# Altium PCB PCB_Sensor1.PcbDoc (continued)
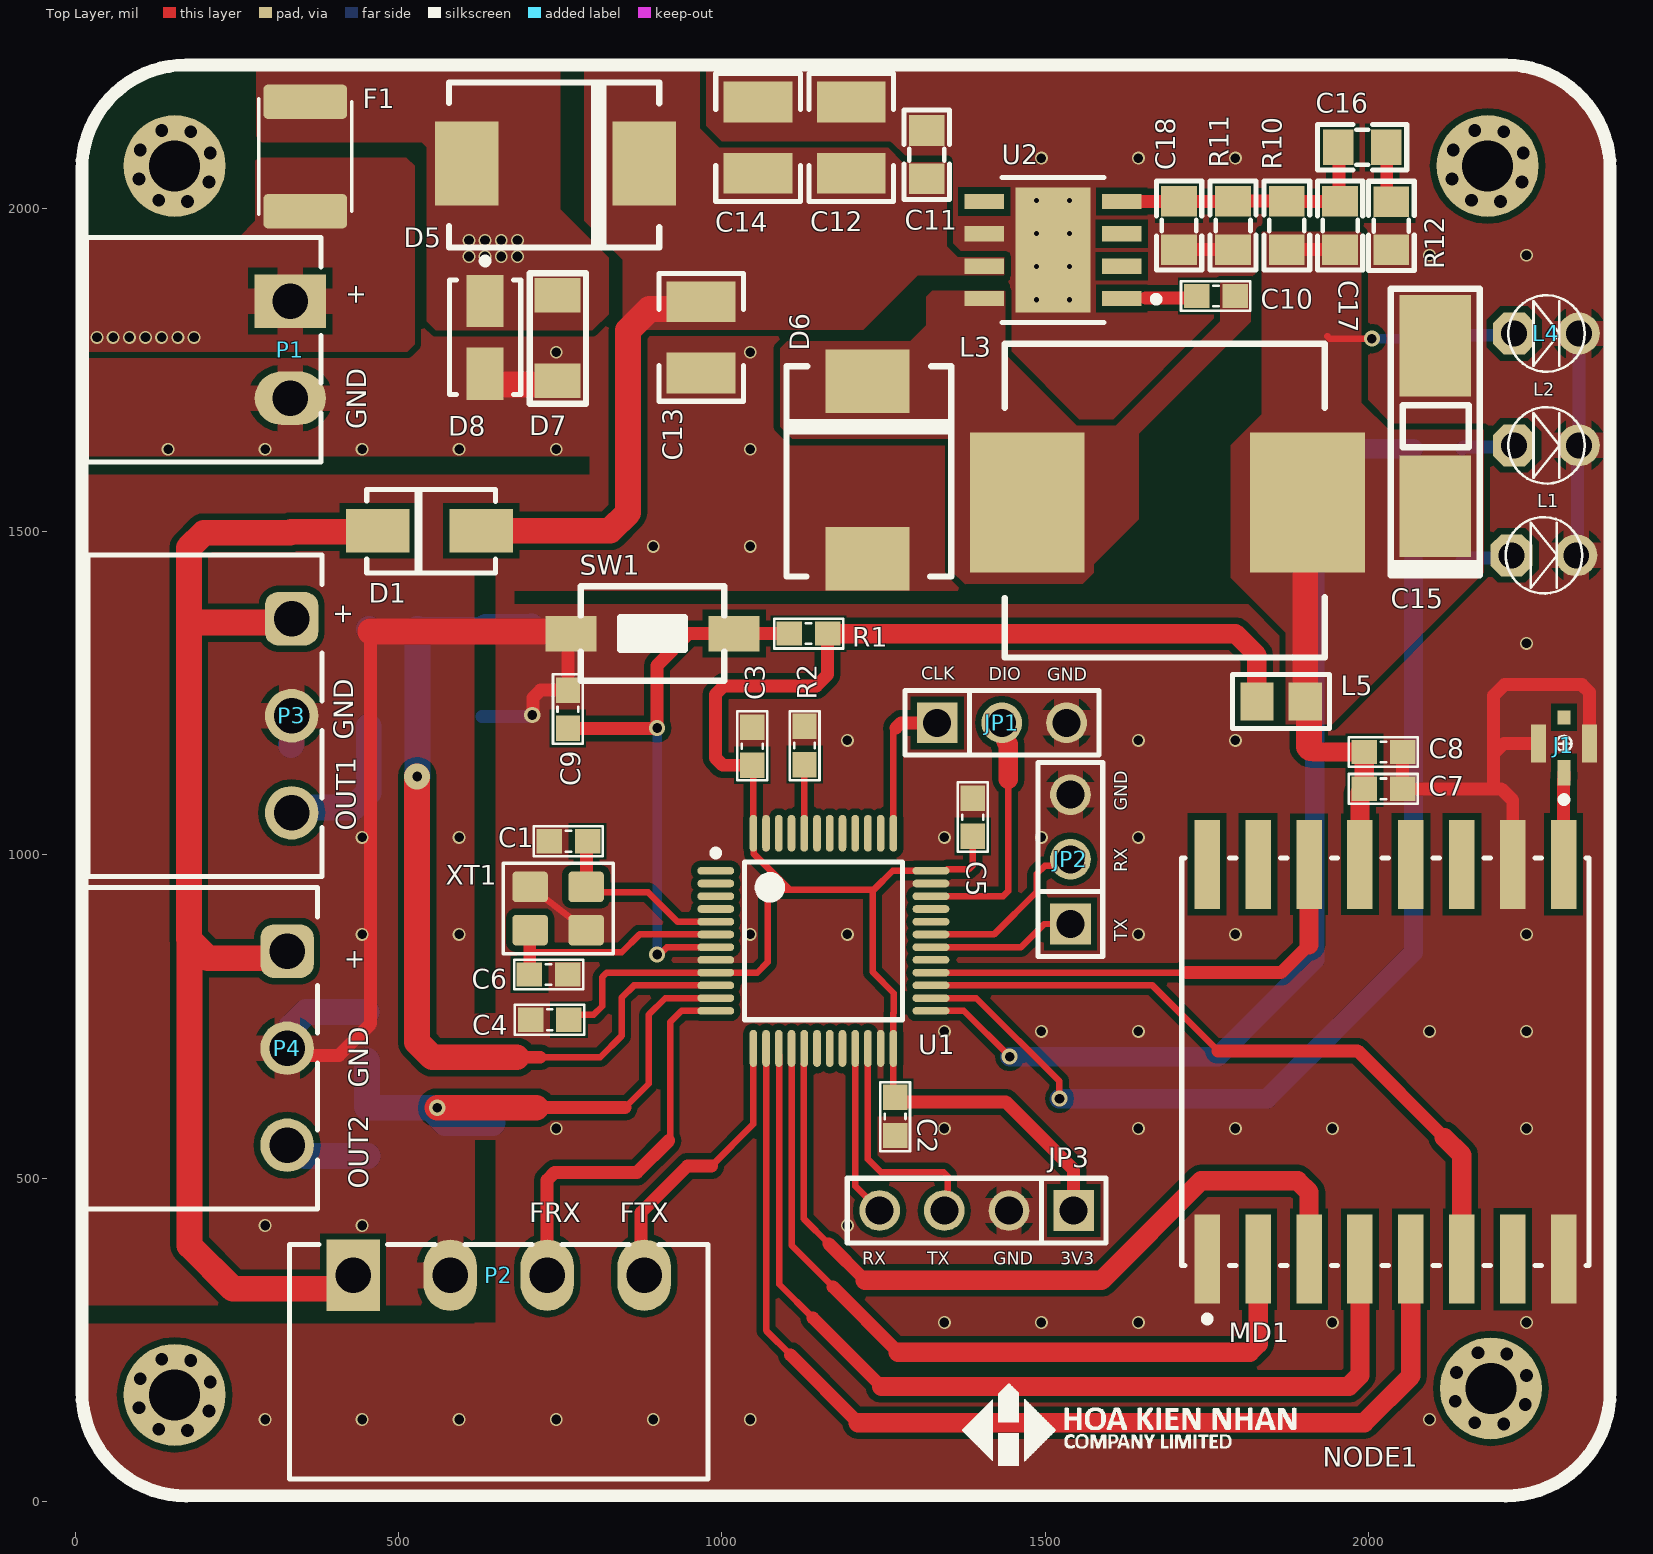
[diagram p0: Top Layer view]
## Footprints (in the part's own frame and the unit in brackets; to place one, negate y for a bottom-side part, rotate by r counter-clockwise, add the part's x,y. Pads: shape width x height; smd on the part's side, far side on the other; paste and mask are expansions set on the pad)
1210 [mm]
  rect 1.6x2.7 smd: 1(1.038,2.438) 2(3.838,2.438)
  silkscreen extent -0.07,0.78 4.95,4.1, body extent 0.85,1.18 4.05,3.68, height 1.3
1812 [mm]
  rrect25% 1.34x3.29 smd: 1(1,2.134) 2(5.3,2.134)
  silkscreen extent 0.87,0.31 5.43,3.96, body extent 0.87,0.51 5.42,3.75, height 1.25
2312 [mm]
  rect 4x2.8 smd: 1(0.127,0.152) 2(6.427,0.152)
  silkscreen extent -2.59,-1.6 8.66,1.91, body extent 0.13,-1.6 6.43,1.9, height 2.79
691322310002 [mm] "Horizontal PCB Header, pitch 3.81mm, 02p"
  rect 2.1x2.794 hole 1.4: 1(-1.905,3.4)
  oval 2.1x2.794 hole 1.4: 2(1.905,3.4)
  silkscreen extent -4.4,-4.6 4.41,4.6, body extent -4.4,-4.6 4.41,4.6, height 7.25
691322310003 [mm] "Horizontal PCB Header, pitch 3.81mm, 03p"
  rrect50% 2.1x2.1 hole 1.4: 1(-3.81,3.4)
  round 2.1 hole 1.4: 2(0,3.4) 3(3.81,3.4)
  silkscreen extent -6.31,-4.6 6.31,4.6, body extent -6.31,-4.6 6.31,4.6, height 7.25
691322310004 [mm] "Horizontal PCB Header, pitch 3.81mm, 04p"
  rect 2.1x2.794 hole 1.4: 1(-5.715,3.4)
  oval 2.1x2.794 hole 1.4: 2(-1.905,3.4) 3(1.905,3.4) 4(5.715,3.4)
  silkscreen extent -8.21,-4.6 8.22,4.6, body extent -8.21,-4.6 8.21,4.6, height 7.25
DO214AB_SMC [mm] "DIODE_DO214AB_SMC Type"
  rect 2.5x3.3 smd: 1(0.795,3.429) 2(7.765,3.429)
  silkscreen extent 0.1,0.13 8.36,6.6, body extent 0.23,0.28 8.36,6.58, height 2.67
DO-214AA [mm]
  rect 2.5x1.7 smd: 1(1.854,2.057) 2(5.919,2.057)
  silkscreen extent 1.3,0.43 6.35,3.76, body extent 1.36,0.71 6.36,3.41, height 2.25
"FER-0805 (2012)" [mm]
  rect 1.3x1.5 smd: 1(1.082,1.219) 2(2.982,1.219)
  silkscreen extent 0.12,0.16 3.94,2.28, body extent 0.89,0.35 3.18,2.08, height 1.51
FP-DDA0008J-MFG [mm]
  rect 1.55x0.6 smd paste+0 mask+0: 1(-2.7,1.905) 2(-2.7,0.635) 3(-2.7,-0.635) 4(-2.7,-1.905) 5(2.7,-1.905) 6(2.7,-0.635) 7(2.7,0.635) 8(2.7,1.905)
  rect 2.95x4.9 smd paste-1000 mask-1000: 9(0,0)
  silkscreen extent -4.18,-2.85 2,2.85, body extent -3.57,-2.75 3.57,2.75, height 0.25
FP-RFM95W-868S2-MFG [mm]
  rect 3.5x1 smd paste+0 mask+0: 1(-7.75,7) 2(-7.75,5) 3(-7.75,3) 4(-7.75,1) 5(-7.75,-1) 6(-7.75,-3) 7(-7.75,-5) 8(-7.75,-7) 9(7.75,-7) 10(7.75,-5) 11(7.75,-3) 12(7.75,-1) 13(7.75,1) 14(7.75,3) 15(7.75,5) 16(7.75,7)
  silkscreen extent -10.22,-8 8,8, body extent -9.6,-8.1 9.6,8.1, height 0.25
IND-12_12_8 [mm]
  rect 4.5x5.5 smd: 1(-5.5,0) 2(5.5,0)
  silkscreen extent -6.39,-6.1 6.18,6.22, body extent -6.27,-6.2 6.23,6.3, height 8
"JP 1x3 DT" [mm]
  rect 1.6x1.6 hole 1.1: 1(0,0)
  round 1.6 hole 1.1: 2(2.54,0) 3(5.08,0)
  silkscreen extent -1.27,-1.27 6.35,1.27, body extent -1.27,-1.27 6.35,1.27, height 8.54
"JP 1x4 DT" [mm] "4 pins, 1 row, straight, gold plating"
  rect 1.6x1.6 hole 1.1: 1(0,0)
  round 1.6 hole 1.1: 2(2.54,0) 3(5.08,0) 4(7.62,0)
  silkscreen extent -1.27,-1.27 8.89,1.27, body extent -1.27,-1.27 8.89,1.27, height 8.54
LED-3MM-GREEN [mil]
  oct 65x65 hole 40: 1(0,0)
  round 65 hole 40: 2(100,0)
  silkscreen extent -9,-59 109,59, body extent -15,-70 112,60, height 182
LED-3MM-RED [mil]
  oct 65x65 hole 40: 1(0,0)
  round 65 hole 40: 2(100,0)
  silkscreen extent -9,-59 109,59, body extent -27,-77 117,80, height 181
SOD_80 [mm]
  rect 1.35x1.8 smd: 1(0.738,1.397) 2(4.088,1.397)
  silkscreen extent -0.18,0.28 4.95,2.49, body extent 0.66,0.66 4.16,2.16, height 1.45
STM32_LQPF48 [mm]
  oval 1.45x0.3 smd: 1(-4.225,2.75) 2(-4.225,2.25) 3(-4.225,1.75) 4(-4.225,1.25) 5(-4.225,0.75) 6(-4.225,0.25) 7(-4.225,-0.25) 8(-4.225,-0.75) 9(-4.225,-1.25) 10(-4.225,-1.75) 11(-4.225,-2.25) 12(-4.225,-2.75) 25(4.225,-2.75) 26(4.225,-2.25) 27(4.225,-1.75) 28(4.225,-1.25) 29(4.225,-0.75) 30(4.225,-0.25) 31(4.225,0.25) 32(4.225,0.75) 33(4.225,1.25) 34(4.225,1.75) 35(4.225,2.25) 36(4.225,2.75)
  oval 0.3x1.45 smd: 13(-2.75,-4.225) 14(-2.25,-4.225) 15(-1.75,-4.225) 16(-1.25,-4.225) 17(-0.75,-4.225) 18(-0.25,-4.225) 19(0.25,-4.225) 20(0.75,-4.225) 21(1.25,-4.225) 22(1.75,-4.225) 23(2.25,-4.225) 24(2.75,-4.225) 37(2.75,4.225) 38(2.25,4.225) 39(1.75,4.225) 40(1.25,4.225) 41(0.75,4.225) 42(0.25,4.225) 43(-0.25,4.225) 44(-0.75,4.225) 45(-1.25,4.225) 46(-1.75,4.225) 47(-2.25,4.225) 48(-2.75,4.225)
  silkscreen extent -4.35,-3.1 3.1,3.57, body extent -4.5,-4.5 4.5,4.5, height 1.6
"SW 2P SMD" [mm]
  rect 2x1.4 smd: 1(1.118,2.489) 2(7.518,2.489)
  silkscreen extent 1.5,0.64 7.14,4.34, body extent 1.27,0.64 7.37,4.34, height 2.5
TG-RECE-20369-001E-4_V [mm] "Hand Drawn, 4-Leads, Body 1.7x1.7mm"
  rect 0.5x1 smd: 1(0,-1.15)
  rect 0.6x1.5 smd: 2(1,0) 3(-1,0)
  rect 0.5x0.55 smd: 4(0,1.025)
  silkscreen extent -0.3,-2.32 0.3,0.3, body extent -0.85,-0.85 0.85,0.85, height 0.85
"Thach Anh 4 chan 1" [mm] "SMD Crystal 4-lead leadless package"
  round 0.508 on Mech15: 0(0,0)
  rrect25% 1.4x1.2 smd: 1(-1.1,-0.85) 2(1.1,-0.85) 3(1.1,0.85) 4(-1.1,0.85)
  Top Layer lines w0.254: -1.1,0.85 1.1,-0.85
  silkscreen extent -2.16,-1.78 2.16,1.78, body extent -1.65,-1.3 1.65,1.3, height 0.8
"tro smd 0603" [mm] "Chip Capacitor, 2-Leads, Body 1,60x0,80mm, IPC Medium Density"
  rect 1x0.95 smd mask+0.076: 1(-0.75,0) 2(0.75,0)
  silkscreen extent -1.35,-0.58 1.37,0.58, body extent -0.82,-0.42 0.82,0.43, height 0.44
"tro smd 0805" [mm]
  rect 1.2x1.4 smd: 1(-0.946,-0.061) 2(0.954,-0.061)
  silkscreen extent -1.75,-0.97 1.75,0.84, body extent -1.56,-0.76 1.44,0.64, height 0.53
"tu 0603" [mm] "Chip Capacitor, 2-Leads, Body 1,60x0,80mm, IPC Medium Density"
  rect 1x0.95 smd mask+0.076: 1(-0.75,0) 2(0.75,0)
  silkscreen extent -1.35,-0.58 1.37,0.58, body extent -0.8,-0.4 0.8,0.4, height 0.9
"tu 0805" [mm] "Compoment SMD 80x50mil"
  rect 1.2x1.4 smd: 1(-0.946,-0.003) 2(0.954,-0.003)
  silkscreen extent -1.75,-0.89 1.75,0.89, body extent -1.01,-0.64 1.01,0.63, height 0.61
VISH-DO-214AC-2_L [mm] "DO-214AC, 2-Leads, Body 4.5x2.79mm, IPC High Density"
  rect 2.05x1.45 smd: 1(-1.425,0) 2(1.425,0)
  silkscreen extent -3.12,-1.4 2.25,1.4, body extent -2.25,-1.4 2.25,1.4, height 2.29

## Part data
C1 C6: library part "Tu 0603 101 50V 10%", "Dán", Chung_Loai=Dán, Don_Vi=Con, Ma_Hang=MH004565, So_Chan=2, Ten_Linh_Kien="Tụ 0603 101-0.1nF 10% 50V"
C2 C3 C4 C5 C8: library part "Tu 0603 104 50V 10%", "Dán", Chung_Loai=Dán, Don_Vi=Con, Ma_Hang=MH004568, So_Chan=2, Ten_Linh_Kien="Tụ 0603 104-100nF 10% 50V"
C7 C10 C19 C20: library part "Tu 0603 105 16V 20%", "Dán", Chung_Loai=Dán, Don_Vi=Con, Ma_Hang=MH004574, So_Chan=2, Ten_Linh_Kien="Tụ 0603 105-1uF 20% 16V"
C9: library part "Tu 0603 105 50V 10%", "Dán", Chung_Loai=Dán, Don_Vi=Con, Ma_Hang=MH004569, So_Chan=2, Ten_Linh_Kien="Tụ 0603 105-1uF 50V 10%"
C11 C16 C17 C18: library part "Tu 0805 10pF 50V 10%", "Dán", Chung_Loai=Dán, Don_Vi=Con, Ma_Hang=MH004554, So_Chan=2, Ten_Linh_Kien="Tụ 0805 10P 10% 50V"
  C17 C18: ComponentLink1Description="New link", ComponentLink1URL=https://www.thegioiic.com/tu-gom-0805-150pf-50v
C12 C13 C14: library part CAP_CER_1210_10uF, "CAP CER 10uF/50V 1210", Manufacturer=Yageo, Package=1210, Part number=C1210, ComponentLink1Description="Link product", ComponentLink1URL=https://www.thegioiic.com/tu-gom-1210-10uf-50v, Cost=3400
C15: library part CAP_TANT_2312_100uF, "CAP TANT 100uF/10V 2312", Manufacturer=AVX, Package=2312, Part number=TAJC107K010RNJ, ComponentLink1Description="Link product", ComponentLink1URL=https://www.thegioiic.com/tu-tantalum-100uf-10v-2312-tajc107k010rnj, Cost=5000
D1: library part DIO_SS14, "DIODE SCHOTTKY 1A 40V SMA DO-214AA", Manufacturer=Fairchild, Package=DO-214AA, Part number=SS14, ComponentLink1Description="Link product", ComponentLink1URL=https://www.thegioiic.com/ss14-sma-diode-schottky-1a-1n5819, Cost=600
D3 D4: library part DIO_ZMM3V6, "ZMM3V6 3.6V 500mW SMD SOD-80", Manufacturer="On Semiconductor", Package=SOD-80, ComponentLink1Description="Link product", ComponentLink1URL=https://www.thegioiic.com/zmm3v6-diode-zener-3-6v-500mw-smd, Cost=250, Part number=ZMM3V6
D5 D6: library part DIO_MBRS340T3, "DIODE SCHOTTKY 4A 40V SMC DO-214AB", Manufacturer=Fairchild, Package=DO-214AB, Part number=SS14, ComponentLink1Description="Link product", ComponentLink1URL=https://www.thegioiic.com/mbrs340t3-diode-schottky-4a, Cost=2000
D7: library part DIO_ZMM15, "ZMM15 15V 500mW SMD SOD-80", Manufacturer="On Semiconductor", Package="SOD-80 2L", Part number=ZMM15, ComponentLink1Description="Link product", ComponentLink1URL=https://www.thegioiic.com/rlz30b-diode-zener-27-70-29-13v-500mw-smd, Cost=250
D8: library part CMP-0548-00227-2, "Transient Voltage Suppressor, 6.40 to 231 V, 28 V Stand-off Voltage, Uni-Directional, -55 to 155 degC, 2-pin DO-214AC, Pb-Free, Tape and Reel", Manufacturer="Vishay Semiconductor", Operating Junction and Storage Temperature Range="-55 to 150 degC", ComponentLink4Description="New link", ComponentLink4URL=https://www.thegioiic.com/smaj28a-e3-61-tvs-diode-28v-45-4v-do214ac, DatasheetVersion=12/8/2013, ID (uA)=1, IFSM="40 A", Mounting Technology="Surface Mount", PackageDescription="2-Pin DO-214AC (SMA), Body 4.245 x 2.665 mm", PackageReference=DO-214AC-2, Packing="Tape and Reel", PartNumber=SMAJ28A-E3/61, PPPM (W)="400, 300", RoHS=TRUE, VBR Uni-Directional (V)="6.4 to 231", VWM (V)=28
F1: library part FUSE_16V_2.5A, "MF-MSMF250/16 16V 2.5A1812", Manufacturer=Bourns, Package=1812, ComponentLink1Description="Link product", ComponentLink1URL=https://www.thegioiic.com/mf-msmf150-24x-2-cau-chi-tu-phuc-hoi-1812-24v-1-5a, Cost=3000, Part number=1812
J1: library part CMP-0275-00001-2, "RF Connector, Onboard Receptacle, IPEX MHFIII", Housing Color=Gold, Manufacturer=Taoglas, PartNumber=RECE-20369-001E-01, ComponentLink1Description="Manufacturer URL", ComponentLink1URL=http://www.taoglas.com/, ComponentLink2Description=Datasheet, ComponentLink2URL=http://www.taoglas.com/images/product_images/original_images/RECE.20369.001E.01.pdf, ComponentLink3Description="Package Specification", ComponentLink3URL=http://www.taoglas.com/images/product_images/original_images/RECE.20369.001E.01.pdf, DatasheetVersion="Rev. C", Mounting Technology="Surface Mount", PackageDescription="4-Pin, Hand Drawn, Body 1.7x1.7mm", PackageReference=RECE-20369-001E-01-4, PackageVersion="Rev. C", Packing="Tape and Reel"
JP1 JP2: library part "JP 1x3 2.54 Duc Thang", "Cắm", Chung_Loai=Cắm, Don_Vi=Con, Ma_Hang=MH000903, Ten_Linh_Kien="Jump Đơn Đực 2.54MM 1x40P Thẳng 11MM"
JP3: library part "JP 1x4 2.54 Duc Thang", "Cắm", Chung_Loai=Cắm, Don_Vi=Con, Ma_Hang=MH000903, Ten_Linh_Kien="Jump Đơn Đực 2.54MM 1x40P Thẳng 11MM"
L1 L2: library part "LED 3mm Xanh La", "Cắm", Chung_Loai=Cắm, Don_Vi=Con, Ma_Hang=MH001054, Ten_Linh_Kien="Led 3MM Phủ Xanh (10c)"
L3: library part IND_68uH_3.2A_1280, "CDRH127 IND 68uH 3.2A 12x12x8", Manufacturer=OEM, Package=1280, Part number=CDRH127, ComponentLink1Description="Link product", ComponentLink1URL=https://www.thegioiic.com/cdrh127-cuon-cam-dan-smd-1280-680-68uh-3-2a, Cost=3200
L4: library part "LED 3mm Do", "Cắm", Chung_Loai=Cắm, Don_Vi=Con, Ma_Hang=MH003892, Ten_Linh_Kien="Led 3MM Phủ Đỏ (10c)"
L5: library part FERRITE_BEAD_2.7A_80, "FERRITE BEAD 2.7A 80 OHM 0805", Manufacturer="Taiyo Yuden", Package=0805, Part number=FBMH2012HM800-T, ComponentLink1Description="Link product", ComponentLink1URL=https://www.thegioiic.com/fbmh2012hm800-t-ferrite-bead-80-ohm-0805, Cost=2000
MD1: library part CMP-204316-000001-1, "RX TXRX MODULE ISM < 1GHZ SMD", Case/Package=SMD/SMT, Current - Receiving=12.1mA, Current - Transmitting=120mA, Frequency=868MHz, Max Operating Temperature=70°C, Min Operating Temperature=-20°C, Data Rate=300Kbps, Interface=SPI, Mount="Surface Mount", Packaging=Bulk, Sensitivity=-123dBm
P1: library part CMP-1502-01886-1, "Serie 322 - 3.81mm Horizontal PCB Header WR-TBL, 2 pin", Manufacturer="Wurth Elektronik", Operating Temperature=-40to105degC, Package Reference=691322310002, Datasheet URL=http://katalog.we-online.de/em/datasheet/6913223100xx.pdf, Gender=Male, Manufacturer URL=http://www.we-online.de, Mounting Technology=THT, Packaging=Box, Part number=691322310002, Pin Number=2, Pitch=3.81mm, Publisher=WurthElektronik
P2: library part CMP-1502-01888-1, "Serie 322 - 3.81mm Horizontal PCB Header WR-TBL, 4 pin", Manufacturer="Wurth Elektronik", Operating Temperature=-40to105degC, Datasheet URL=http://katalog.we-online.de/em/datasheet/6913223100xx.pdf, Gender=Male, Manufacturer URL=http://www.we-online.de, Mounting Technology=THT, Package Reference=691322310004, Packaging=Box, Part number=691322310004, Pin Number=4, Pitch=3.81mm, Publisher=WurthElektronik
P3 P4: library part CMP-1502-01887-2, Color=Green, Current=10A, Voltage=300V, Contact Material=Brass, Contact Plating=Tin, Gender=Male, Height=9.2mm, Lead Pitch=3.81mm, Length=10.5mm, Mount="Through Hole", NexarPartId=8917778, Number of Contacts=3, Number of Levels=1, Number of Pins=3, Number of Positions Per Level=3, Number of Rows=1, Packaging=Box, Pitch=3.81mm, REACH SVHC=Unknown, RoHS=Compliant, Termination=Solder, Width=12.82mm
R1 R2: library part "Tro 0603 5% 10k", "Dán", Chung_Loai=Dán, Don_Vi=Con, Ma_Hang=MH006316, So_Chan=2, Ten_Linh_Kien="Trở 0603 5% 10k"
R3 R4 R5 R6 R7 R8: library part "Tro 0805 5% 1k", "Dán", Chung_Loai=Dán, Don_Vi=Con, Ma_Hang=MH005234, So_Chan=2, Ten_Linh_Kien="Trở 0805 5% 1k"
R9 R10 R11 R12: library part "Tro 0805 1% 5.1k", "Dán", Chung_Loai=Dán, Don_Vi=Con, Ma_Hang=MH008812, So_Chan=2, Ten_Linh_Kien="Trở 0805 1% 5.1k"
SW1: library part SW_SPDT_2PIN, "SMD Mini Push Button Switch 2 Pin 3x6x2.7mm", Manufacturer=OEM, Part number="SPST 2 PIN SMD", ComponentLink1Description="Link product", ComponentLink1URL=https://www.thegioiic.com/nut-nhan-3-5x6mm-cao-2-5mm-2-chan-smd-dau-trang, Cost=600
U2: library part CMP-2000-04960-2, "IC REG BUCK ADJUSTABLE 3A 8SOPWR", Manufacturer="Texas Instruments", Max Junction Temp=+125°C, Max Supply Voltage=36V, Min Supply Voltage=5.5V, Nominal Supply Current=3mA, Output Current=3A, Output Voltage=1.23-31V, Package=DDA0008J, Switching Frequency=500kHz, Temperature="-40°C to +125°C", Temperature Range Low=-40°C, Automotive=No, Category=IC, ComponentLink2Description=Datasheet, ComponentLink2URL=http://www.ti.com/lit/ds/symlink/tps5431.pdf, Device Class L1="Integrated Circuits (ICs)", Device Class L2="Power Management ICs", Device Class L3="Voltage Regulators - Switching", Digikey Description="IC REG BUCK ADJUSTABLE 3A 8SOPWR", Height=1.7mm, Lead Free=Yes, Manufacturer Part Number=TPS5430DDA, Max Duty Cycle=89%, Mouser Description="Voltage Regulators - Switching Regulators 5.5 to 36V Input 3A Step Dwn Converter", Number Of Outputs=1, Octopart=https://octopart.com/tps5430dda-texas+instruments-589977, Output Type=AdjustableProgrammable, RoHS=TRUE, Standoff Height=0mm, Switching Topology=Buck, Temperature Range High=+125°C
XT1: library part "Thach Anh 4 Chan SMD", "Crystal For all Crystal 2pin."
U1: ComponentLink1Description="Manufacturer Link", ComponentLink1URL=www.st.com/stm32, ComponentLink2Description=Datasheet, ComponentLink2URL=http://www.st.com/stonline/products/literature/ds/13587.pdf, DatasheetVersion="rev6, Mar-2008", PackageDescription="48-Pin Low-Profile Quad Flat Pack, 7 x 7 mm Body, 0.5 mm Pitch (LQFP48)", PackageReference=LQFP48, PackageVersion=Mar-2008, Published=30-May-2008, Publisher="Altium Limited"

## Free pads (board coordinates)
  round 39.37 hole 19.68: ""(99,145) ""(99,2045) ""(100.97,189.75) ""(100.97,2089.75) ""(129.25,111.97) ""(129.25,2011.97) ""(134,220) ""(134,2120) ""(174,110) ""(174,2010) ""(178.75,218.03) ""(178.75,2118.03) ""(207.03,140.25) ""(207.03,2040.25) ""(209,185) ""(209,2085) ""(2129,2045) ""(2130.97,2089.75) ""(2134,155) ""(2135.97,199.75) ""(2159.25,2011.97) ""(2164,2120) ""(2164.25,121.97) ""(2169,230) ""(2204,2010) ""(2208.75,2118.03) ""(2209,120) ""(2213.75,228.03) ""(2237.03,2040.25) ""(2239,2085) ""(2242.03,150.25) ""(2244,195)
  round 157.48 hole 78.74: ""(154,165) ""(154,2065) ""(2184,2065) ""(2189,175)

## Via types
v1: diameter 20, hole 15, Top Layer to Bottom Layer, tented both sides, 72 vias
v2: diameter 19.68, hole 7.87, Top Layer to Bottom Layer, tented both sides, 8 vias
v3: diameter 25, hole 15, Top Layer to Bottom Layer, tented both sides, 7 vias
v4: diameter 40, hole 15, Top Layer to Bottom Layer, tented both sides, 1 vias

## Nets (pads, with @x,y where several pads share a name; then routed paths per layer and width w, separated by ;. In a path a pad name is that pad's centre, name@x,y a point inside that pad or via, vN(x,y) a via of type N, cw(c..) or ccw(c..) an arc to the next point about the centre after c; other vN are vias at no path point)
+3V3: C7.2 C8.2 C15.1 C17.2 L3.2 L5.1 MD1.13 R9.2 R10.1 | length 865.3
  Top Layer w10: 1936,1802 1940,1798 v3(2005,1798)
  Top Layer w20: R10.1 1873.62,1935.55 1955.64,1935.55 C17.2
  Top Layer w30: 1910,1165 1916,1159 1992.47,1159 1992.97,1158.5 1992.97,1102.48 1986.63,1096.14 MD1.13
  Top Layer w40: L3.2 1902,1541.46 L5.1 1907.59,1231.41 1907.59,1167.41 1910,1165
  Bottom Layer w10: R9.2@2066.82,1798 R9.2
  Bottom Layer w15: v3(2005,1798) R9.2@2066.82,1798
+24: F1.1 P1.1
  other v1: 34,1800 59,1800 84,1800 109,1800 134,1800 159,1800 184,1800
+VIN_24: C11.1 C12.2 C13.2 C14.2 D1.1 D5.2 U2.7 | length 651.9
  Top Layer w40: D1.1 827,1501 855,1529 855,1811 887.74,1843.74 956.5,1843.74 C13.2
+VMCU_3V3: C2.1 C3.1 C4.1 C5.1 JP3.1 L5.2 R1.2 U1.9 U1.24 U1.36 U1.48 | length 2954.7
  Top Layer w10: C4.1@762.53,753 802,753 815,766 815,811 821.79,817.79 U1.9 1054.79,817.79 1070.79,833.79 1070.79,946.21 1104.79,946.21 ; C3.1 1048.73,1136.74 U1.48 1049.08,1032.99 1049.08,1001.92 1104.79,946.21 ; C2.1@1265.27,625.06 U1.24 1265.27,755.03 1266,755.76 1266,786 1233,819 1233,946.21 ; C5.1 1388,983.33 1382.14,977.47 1348.67,977.47 1346.47,975.27 U1.36 1264.27,975.27 1235.21,946.21 1233,946.21 ; 1104.79,946.21 1233,946.21
  Top Layer w20: C4.1@762.76,744.24 C4.1 ; C3.1 1001.53,1138.47 996.12,1143.88 990,1150 990,1248 1003,1261 1146.06,1261 1163.53,1278.47 R1.2 ; C2.1 1275.06,618 1439,618 1544,513 JP3.1
  Top Layer w30: R1.2 1794,1342 1827.2,1308.8 L5.2
ADC_OUTPUT_D: C19.1 D3.2 R4.1 R7.2 U1.10 | length 1371.9
  Top Layer w10: 719,687 812,687 845,720 845,779 864.1,798.1 U1.10
  Top Layer w20: 683,687 719,687
  Top Layer w40: v4(529,1121) 529,710.43 552.43,687 683,687
  Bottom Layer w40: v4(529,1121) 529.23,1121.23 R4.1 529.4,1198.78 529.4,1349.22 R7.2 531.27,1347.7 627.3,1347.7 D3.2 635.57,1352.57 705.57,1352.57 C19.1
ADC_OUTPUT_T: C20.1 D4.2 R5.1 R8.2 U1.11 | length 851.2
  Top Layer w10: 850,609 887,646 887,753 912.42,778.42 U1.11
  Top Layer w20: 713,609 850,609
  Top Layer w40: v3(560,609) 713,609
  Bottom Layer w40: R8.2 451.7,681.5 451.7,609.93 R5.1 459.72,609.23 459.95,609 D4.2@549,609 ; v3(560,609) D4.2@549,609 ; C20.1@645.47,585 D4.2 D4.2@549,609
BLUE_RX: JP3.4 U1.21 | length 266.3
  Top Layer w10: U1.21 1206.21,487.79 JP3.4
BLUE_TX: JP3.3 U1.22 | length 360.6
  Top Layer w10: U1.22 1225.9,529.1 1246,509 1343.12,509 1348.97,503.14 1348.97,454.97 JP3.3
BOOT: C10.2 U2.1 | length 79.8
  Top Layer w20: 1655.3,1861 1729.47,1861 C10.2@1733.47,1865
BOOT0: R2.2 U1.44 | length 106.4
  Top Layer w10: U1.44 1127.47,1138.94 R2.2
CLK: MD1.4 U1.15 | length 1503.9
  Top Layer w10: U1.15@1089,690.19 1089,336 1141,284
  Top Layer w20: 1141,284 1247,178
  Top Layer w30: 1247,178 1969.06,178 1986.63,195.57 MD1.4
FUEL_RX: P2.3 U1.12 | length 622.3
  Top Layer w10: 918,558 920,560 920,741 937.73,758.73 U1.12
  Top Layer w20: P2.3 730,497.28 741.72,509 869,509 918,558
FUEL_TX: P2.4 U1.13 | length 446.4
  Top Layer w10: 984,519 1048.73,583.73 U1.13
  Top Layer w20: P2.4 875,355 875,447 947,519 984,519
GND: C1.2 C2.2 C3.2 C4.2 C5.2 C6.2 C7.1 C8.1 C9.2 C11.2 C12.1 C13.1 C14.1 C15.2 C18.2 C19.2 C20.2 D3.1 D4.1 D6.1 D7.1 D8.2 J1.2 J1.3 JP1.3 JP2.3 JP3.2 L1.2 L2.2 L4.2 MD1.1 MD1.8 MD1.10 P1.2 P2.2 P3.2 P4.2 R2.1 R7.1 R8.1 R11.1 R12.1 SW1.1 U1.8 U1.23 U1.35 U1.47 U2.6 U2.9 XT1.2 XT1.4 | length 2836.2
  Top Layer w20: P4.2@332.86,690 408,690 457,739 457,875 457,1025 457,1345 ; v3(707,1216) 707.96,1216.96 707.96,1242.81 719.67,1254.53 C9.2 762,1336.97 SW1.1 ; C18.2 1707.09,1935.55 1790.17,1935.55 R11.1 ; C8.1 C7.1 2193,1102 ; MD1.10 2222.85,1084.15 2205,1102 2193,1102 ; J1.3 2209,1172 2193,1156 ; J1.2 2341.37,1251.28 2329.65,1263 2210,1263 2193,1246 2193,1156 ; 2193,1102 2193,1156
  Top Layer w40: 457,1345 764.03,1345 SW1.1 ; D8.2 634,1735.54 642.54,1727 739.89,1727 D7.1
  Bottom Layer w20: D3.1 703.76,1214.11 705.65,1216 v3(707,1216) ; L1.2 2323,1465 2323,1631 L2.2 L4.2
  Bottom Layer w40: 333.86,1170 335,1171.14 P3.2@335,1213.57 ; P4.2@334,733.57 357.43,757 R8.1 ; R7.1@454.07,1348.7 R7.1
  other v1: 294,127 444,127 594,127 744,127 894,127 1044,127 2094,127 1344,277 1494,277 1644,277 1944,277 2244,277 294,427 444,427 1194,427 744,577 1344,577 1644,577 1794,577 1944,577 2244,577 1344,727 1494,727 1644,727 2094,727 2244,727 444,877 594,877 1044,877 1194,877 1644,877 1794,877 2244,877 444,1027 594,1027 1344,1027 1494,1027 1644,1027 1194,1177 1644,1177 1794,1177 2244,1327 894,1477 1044,1477 144,1627 294,1627 444,1627 594,1627 744,1627 1044,1627 744,1777 1044,1777 2094,1927 2244,1927 1494,2077 1644,2077 1794,2077
  other v2: 1486.41,1858.23 1537.59,1858.23 1486.41,1909.41 1537.59,1909.41 1486.41,1960.59 1537.59,1960.59 1486.41,2011.77 1537.59,2011.77
LED_SIGN1: R3.2 U1.26 | length 1525.2
  Top Layer w10: U1.26 1393.47,778.42 1522,649.89 v3(1522,623)
  Bottom Layer w30: v3(1522,623) 1843,623 2069.43,849.43 R3.2
LED_SIGN2: R6.2 U1.25 | length 1599.2
  Top Layer w10: U1.25 1374.27,758.73 v3(1445,688)
  Bottom Layer w30: v3(1445,688) 1767,688 1917,838 1917,1580 1964.61,1627.61 R6.2
LORA_ANTEN: J1.1 MD1.9 | length 141.8
  Top Layer w20: MD1.9 2301.59,1116.79 2302,1117.2 J1.1
LORA_DIO0: MD1.14 U1.28 | length 726.6
  Top Layer w10: U1.28 1718.21,817.79
  Top Layer w20: 1718.21,817.79 1864.68,817.79 1907.89,861
  Top Layer w30: 1907.89,861 MD1.14
LORA_RESET: MD1.6 U1.27 | length 1090.4
  Top Layer w10: U1.27 1665.9,798.1 1767,697
  Top Layer w20: 1767,697 1983,697 2117,563
  Top Layer w30: 2117,563 2144.11,535.89 MD1.6
LORA_SS: MD1.5 U1.14 | length 1702.6
  Top Layer w10: U1.14 1068.42,264.58 1106.5,226.5
  Top Layer w20: 1106.5,226.5 1211,122
  Top Layer w30: 1211,122 1993,122 2065.37,194.37 MD1.5
MISO: MD1.2 U1.16 | length 1230.4
  Top Layer w10: U1.16 1107.79,396.21 1172,332
  Top Layer w20: 1172,332 1273,231
  Top Layer w30: 1273,231 1816,231 1829.15,244.15 MD1.2
MOSI: MD1.3 U1.17 | length 1258.7
  Top Layer w10: U1.17 1127.13,700.32 1127.13,676.4 1127,676.27 1127,437 1165.36,398.64
  Top Layer w20: 1165.36,398.64 1222,342
  Top Layer w30: 1222,342 1587,342 1741,496 1890.32,496 1907.89,478.43 MD1.3
NetC16_2: C16.2 R12.2 | length 86.9
  Top Layer w20: C16.2 2028,2093.44 2028,2017 R12.2
NetD5_1: D5.1 D7.2 D8.1 F1.2
  other v1: 609,1925 634,1925 659,1925 684,1925 609,1950 634,1950 659,1950 684,1950
NetL1_1: L1.1 R3.1 | length 80.2
  Bottom Layer w20: R3.1 2148.43,1458.8 2216.8,1458.8 L1.1
NetL2_1: L2.1 R6.1 | length 83
  Bottom Layer w20: R6.1 2146.93,1630.3 2222.3,1630.3 L2.1
NetL4_1: L4.1 R9.1 | length 83
  Bottom Layer w20: R9.1 2146.93,1803.3 2222.3,1803.3 L4.1
OSC_IN: C1.1 U1.5 XT1.3 | length 293.5
  Top Layer w10: XT1.3 798.78,941.99 886.01,941.99 931.47,896.53 U1.5
  Top Layer w20: XT1.3 790.92,951.07 C1.1@790.92,1021
OSC_OUT: C6.1 U1.6 XT1.1 | length 368
  Top Layer w10: 703.08,849.27 845.27,849.27 872.84,876.84 U1.6
  Top Layer w20: C6.1 703.08,815.61 703.08,849.27 703.08,882.93 XT1.1
OUTPUT_SENSOR_1: P3.3 R4.2 | length 234.1
  Bottom Layer w40: P3.3 343.02,1073.16 430.69,1073.16 454.12,1096.59 R4.2@454.12,1198.3
OUTPUT_SENSOR_2: P4.3 R5.2 | length 131.4
  Bottom Layer w40: P4.3 339.41,551 355.98,534.43 R5.2
PH: C10.1 D6.2 L3.1 U2.8
"POWER_ ADC": D1.2 P2.1 P3.1 P4.1 | length 1987.1
  Top Layer w40: P3.1@328.86,1359 176,1359 ; P4.1@332.86,840 205.43,840 177,868.43 ; P2.1@434,329 244,329 177,396 177,868.43 ; D1.2 466.47,1499.5 334.36,1499.5 332.86,1498 199.43,1498 176,1474.57 176,1359 ; 176,1359 176,869.43 177,868.43
RST: C9.1 R1.1 SW1.2 U1.7 | length 905.1
  Top Layer w10: v3(900,846) 904.06,846 915.22,857.16 U1.7
  Top Layer w20: C9.1 v3@900,1195.47 ; v3(900,1196) 900,1293 949,1342 1007.19,1342 SW1.2 R1.1
  Bottom Layer w15: v3(900,846) v3(900,1196)
RX: JP2.2 U1.31 | length 279.9
  Top Layer w10: U1.31 1420.84,876.84 1487,943 1487,970.6 1499.26,982.86 1528.86,982.86 JP2.2
SWCLK: JP1.1 U1.37 | length 231.5
  Top Layer w10: U1.37 1265.27,1192.27 1269,1196
  Top Layer w20: 1269,1196 1277,1204 JP1.1
SWDIO: JP1.2 U1.34 | length 387.2
  Top Layer w10: U1.34 1434.9,935.9 1443,944 1443,1117
  Top Layer w30: JP1.2 1439.31,1197.69 1439.31,1174.36 1443,1170.67 1443,1117
TX: JP2.1 U1.30 | length 230.5
  Top Layer w10: U1.30 1422.37,857.16 1422.44,857.23 1462.55,857.23 1498.31,893 JP2.1
VSENSE: C16.1 C17.1 C18.1 R10.2 R11.2 U2.4 | length 422.7
  Top Layer w20: U2.4 1618.36,2010.06 1706.8,2010.06 C18.1 1707.09,2010.35 1790.17,2010.35 R11.2 R10.2 1873.62,2010.35 C17.1@1955.64,2010.35 ; C16.1 1954.32,2092.32 1954.32,2011.67 C17.1@1955.64,2010.35 ; C17.1 C17.1@1955.64,2010.35
pads on no net: J1.4 MD1.7 MD1.11 MD1.12 MD1.15 MD1.16 U1.1 U1.2 U1.3 U1.4 U1.18 U1.19 U1.20 U1.29 U1.32 U1.33 U1.38 U1.39 U1.40 U1.41 U1.42 U1.43 U1.45 U1.46 U2.2 U2.3 U2.5 XT1.0

## Polygon pours and split planes (outlines as drawn)
NetD5_1 on Top Layer "NETD5_1_L01_P002" (solid, pour order 2): 280,2111 280,2222 282,2220 750,2220 750,1998 825,1923 825,1836 800,1811 558,1811 544,1825 544,2094 536,2102 289,2102
GND on Top Layer "GND_L01_P009" (solid, remove dead copper, pour order 9): 10.57,170.12 10.57,2059.88 cw(c171.99,2059.88) 171.99,2221.3 2212.01,2221.3 cw(c2212.01,2059.88) 2373.43,2059.88 2373.43,170.12 cw(c2212.01,170.12) 2212.01,8.7 2219,9 171.99,8.7 cw(c171.99,170.12)
+3V3 on Top Layer "+3V3_L01_P007" (solid, pour order 7): 1835,1963 1835,1681 1787,1633 1787,1428 1872,1343 1872,1202 1944,1202 2178,1436 2178,1657 2031,1657 1989,1699 1989,1961 1987,1963
PH on Top Layer "Top Layer-PH" (solid, pour order 6): 1090,1662 1109,1643 1355,1643 1355,1439 1376,1418 1377,1419 1558,1419 1575,1436 1575,1449 1645,1519 1645,1651 1818,1824 1818,1885 1772,1885 1771,1884 1771,1825 1609.27,1663.27 1548.73,1663.27 1438,1774 1438,1871 1437,1872 1325,1872 1316,1863 1316,1819 1291,1794 1101,1794 1090,1783
+VIN_24 on Top Layer "+VIN_24_L01_P005" (solid, pour order 5): 788,2220 787,2219 787,1980 847,1920 847,1830 865,1812 1219,1812 1303,1896 1436,1896 1437,1897 1437,1924 1365,1924 1348,1941 1348,2071 1279,2071 1257,2093 996,2093 966,2123 966,2222 788,2222 787,2221
+24 on Top Layer "+24_L01_P001" (solid, pour order 1): 12,1778 11,1779 11,1954 253,1954 279,1980 279,2073 284,2078 512,2078 525,2065 525,1789 514,1778
NetD5_1 on Bottom Layer "NETD5_1_L02_P008" (solid, pour order 8): 544,2094 544,2220 1038,2220 1038,1830 1019,1811 558,1811 544,1825
+24 on Bottom Layer "+24_L02_P013" (solid, pour order 13): 12,1778 11,1779 11,1954 253,1954 279,1980 279,2208 292.3,2221.3 507.7,2221.3 525,2204 525,1789 514,1778
GND on Bottom Layer "GND_L02_P017" (solid, remove dead copper, pour order 17): 10.57,170.12 10.57,2059.88 cw(c171.99,2059.88) 171.99,2221.3 2212.01,2221.3 cw(c2212.01,2059.88) 2373.43,2059.88 2373.43,170.12 cw(c2212.01,170.12) 2212.01,8.7 2219,9 171.99,8.7 cw(c171.99,170.12)

## Other copper
Top Layer:
  pour cut-out: 679,1407.5 1792.51,1408.49 1814,1387 679,1387
  pour cut-out: 11.21,1616 11,1587.79 795.95,1587.79 796.16,1616
  pour cut-out: 617.81,1438 649.97,1438 649.98,755.47 617.9,754.47
  pour cut-out: 618,532 618.21,559.17 650.17,559.17 650.18,277.54 618.03,276.53
  pour cut-out: 14.44,275.66 14.44,303.46 14.54,303.56 614.21,303.56 614.42,303.77 617.96,300.23 617.96,275.35
Bottom Layer:
  pour cut-out: 1372,1283 1372,1802 1957,1802 1957,1283
  pour cut-out: 11,1616.21 11,1587.79 617.79,1587.79 618,1588 618,1616 11.21,1616
  pour cut-out: 617.79,1587.79 618,1614.96 649.96,1614.96 649.99,276.35 617.96,275.35
  pour cut-out: 14.44,276.1 14.44,303.9 14.54,304 614.21,304 614.42,304.21 617.96,300.67 617.96,275.79

## Silkscreen, mask and mechanical layers (free items; w line width, h text height)
Top Overlay:
  drawing of 37 lines, arcs and shapes, not listed
  text "+" at 447,1849 h30 r90
  text "GND" at 450,1658 h30 r90
  text "+" at 427,1355 h30 r90
  text "CLK" at 1308,1271 h20
  text "DIO" at 1413,1270 h20
  text "GND" at 1503,1269 h20
  text "GND" at 430,1178 h30 r90
  text "GND" at 1627,1068 h20 r90
  text "OUT1" at 434,1037 h30 r90
  text "RX" at 1627,973 h20 r90
  text "TX" at 1627,866 h20 r90
  text "+" at 444.67,821 h30 r90
  text "GND" at 453,640 h30 r90
  text "OUT2" at 453,484 h30 r90
  text "FRX" at 702,432 h30
  text "FTX" at 842,432 h30
  text "RX" at 1217,366 h20
  text "TX" at 1318,366 h20
  text "GND" at 1420,366 h20
  text "3V3" at 1523,366 h20
  text "NODE1" at 1929,54 h30
Mechanical 1:
  the board outline again, w10